# Allegro board LAY-29615_B4.brd (continued)
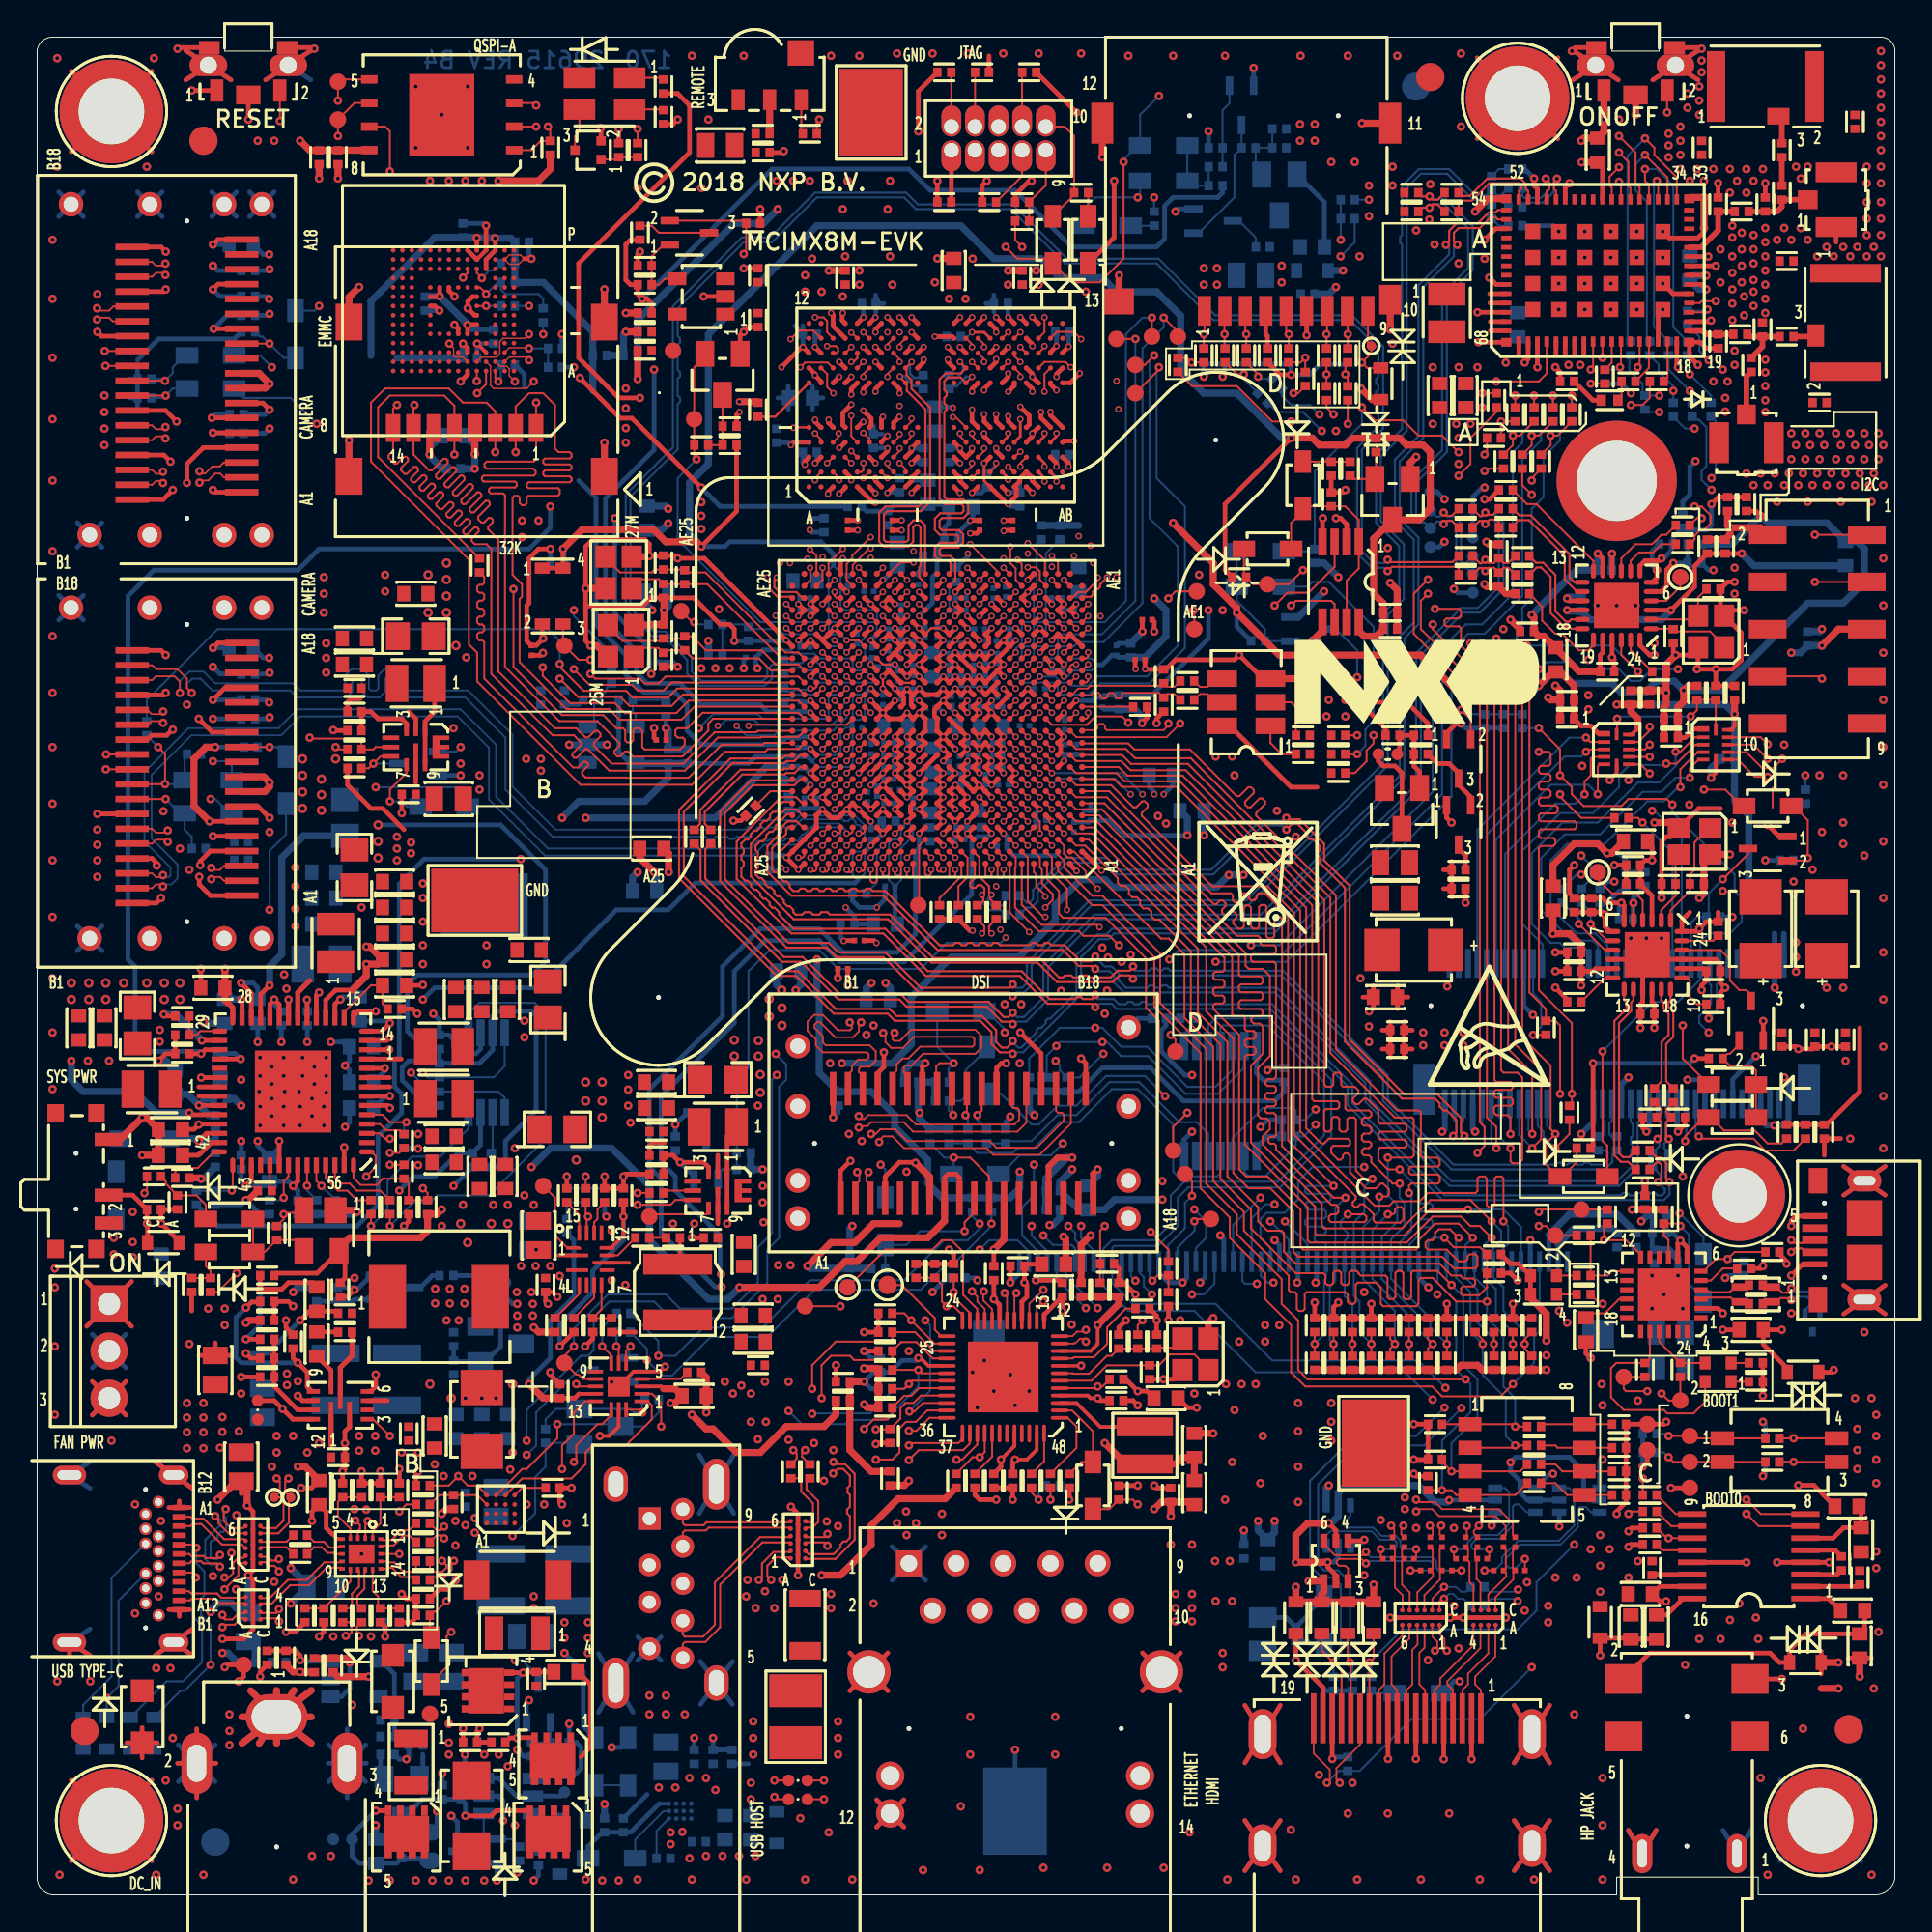
[diagram p0: board, top side]
## Routing (per net, layer and track width the routed paths; a pad name or vN(x,y) marks a point on that pad's centre or on a via; arc(x,y) is an arc through that point) (continued)
WIFI_PCIE_RX_N: length 84
  TOP w0.114: C1305.2 35.97,56.29 35.97,54.71 40.19,50.48 41.21,50.48 43.24,48.45 46.52,48.45 46.9,48.07 51.22,48.07 52.04,47.26 52.29,47.26 v1(52.51,47.48) ; U1301.54 78.63,90.69 78.51,90.57 78.14,90.57 77.55,89.98 76.41,89.98 76.01,89.58 76.01,89 v1(75.83,88.82)
  BOTTOM w0.114: v1(52.51,47.48) 52.74,47.26 53.12,47.26 54.16,48.3 54.16,50.03 56.9,52.77 65.87,52.77 73.34,60.24 73.34,67.73 74.1,68.49 74.1,72.96 73.09,73.98 73.09,77.26 74.36,78.53 74.36,86.66 76.01,88.31 76.01,88.64 v1(75.83,88.82)
WIFI_PCIE_RX_P: length 84.4
  TOP w0.114: v1(76.44,88.82) 76.26,89 76.26,89.47 76.52,89.72 77.66,89.72 78.25,90.31 78.51,90.31 78.63,90.19 U1301.55 ; C1304.2 35.71,56.24 35.71,54.61 40.09,50.23 41.11,50.23 43.14,48.2 46.42,48.2 46.8,47.81 51.12,47.81 51.93,47 52.39,47 v1(52.51,46.88)
  BOTTOM w0.114: v1(76.44,88.82) 76.26,88.64 76.26,88.2 74.61,86.55 74.61,78.42 73.34,77.15 73.34,74.08 74.36,73.07 74.36,68.39 73.6,67.63 73.6,60.13 65.98,52.51 57.01,52.51 54.42,49.92 54.42,48.2 53.23,47 52.64,47 v1(52.51,46.88)
WIFI_PCIE_TX_N: length 4
  TOP w0.114: U1301.49 81.26,91.72 81.41,91.87 81.41,92.18 v1(81.21,92.38)
  BOTTOM w0.114: v1(81.21,92.38) 81.38,92.2 81.38,91.78 80.96,91.35 80.05,91.35 79.94,91.46 R1355.2
WIFI_PCIE_TX_P: length 4
  TOP w0.114: v1(81.81,92.38) 81.66,92.23 81.66,91.82 81.76,91.72 U1301.48
  BOTTOM w0.114: v1(81.81,92.38) 81.64,92.2 81.64,91.67 81.06,91.1 80.17,91.1 R1354.2
WL_NPERST: length 57.4
  TOP w0.107: v1(84.26,82.74) 84.26,82.74 U1301.10 ; U101.C6 v2(53.32,56.48)
  L6_INT_2 w0.076: v2(53.32,56.48) 53.32,56.66 53,56.98 53,57.32 53.14,57.46 58.62,57.46 59.5,56.58 66.48,56.58 66.86,56.2 68.77,56.2 74.1,61.53 77.91,61.53 80.26,63.88 81.53,63.88 82.23,64.58 82.23,68.52 81.72,69.02 81.72,70.17 79.44,72.45 79.44,76.9 80.96,78.42 80.96,78.8 81.34,79.18 82.1,79.18 84.26,81.34 v1(84.26,82.74)
WL_NWAKE: length 160.2
  TOP w0.107: R1321.1 v1(83.63,81.35) ; U101.M20 v2(43.58,62.33)
  L6_INT_2 w0.076: v2(43.58,62.33) 43.58,62.6 43.29,62.88 41.17,62.88 40.83,62.55 39.18,62.55 32.78,56.15 32.78,53.35 29.91,50.48 29.91,46.67 36.26,40.32 36.26,35.95 39.64,32.57 47.18,32.57 49.34,30.42 54.8,30.42 55.51,31.13 57.26,31.13 57.97,30.42 63.31,30.42 65.34,32.45 69.66,32.45 70.42,33.21 75.12,33.21 78.04,30.29 82.87,30.29 86.17,26.99 v1(86.17,26.61) ; v1(83.63,81.35) 82.62,81.35 82.1,80.83 82.1,80.45 81.47,79.82 79.95,79.82 78.42,78.29 78.04,78.29 77.28,77.53 77.28,69.79 v1(78.93,68.13)
  L8_INT_3 w0.076: v1(86.17,26.61) 86.17,29.4 86.42,29.65 86.42,35.37 86.93,35.88 86.93,36.89 85.79,38.04 85.79,42.99 86.17,43.37 86.17,45.27 84.9,46.54 84.9,53.02 83.63,54.29 83.63,56.07 80.83,58.86 80.83,60.51 81.34,61.02 81.34,61.66 79.95,63.05 79.95,66.74 79.56,67.12 79.56,67.5 v1(78.93,68.13)
WL_REG_ON: length 66.7
  TOP w0.107: U1301.23 89.5,85.69 89.6,85.79 v1(90.36,85.79) ; U101.D7 v2(52.67,57.78)
  L6_INT_2 w0.076: v1(80.83,65.98) 76.9,62.04 73.72,62.04 71.94,60.26 68.01,60.26 65.34,57.59 61.66,57.59 61.28,57.21 59.75,57.21 58.99,57.97 55.69,57.97 55.55,58.11 53,58.11 v2(52.67,57.78) ; v1(90.36,85.79) 90.54,85.61 90.54,82.54 89.39,81.39 87.24,81.39 86.8,80.96 86.8,79.31 88.45,77.66 88.45,73.34 88.71,73.09 88.71,69.02 87.69,68.01 87.69,66.61 v1(88.33,65.98)
  BOTTOM w0.107: v1(88.33,65.98) 86.93,65.98 86.3,65.34 85.79,65.34 85.15,65.98 82.99,65.98 82.61,66.36 81.22,66.36 v1(80.83,65.98)
XTALI_25M: length 9.3
  TOP w0.107: Y401.1 32.6,67.12 33.46,67.12 C402.1 33.86,67 R411.1 35.3,66.56 38.85,66.56 39.5,65.91 U101.U25
XTALI_27M: length 10.6
  TOP w0.107: U101.V25 40.07,66.56 36.07,70.55 R412.1 33.73,70.55 C404.1 33.46,70.82 32.49,70.82 Y402.1
XTALO_25M: length 11.8
  TOP w0.107: U101.U24 40.98,66.23 39.76,66.23 39,66.99 36,66.99 35.25,67.75 R411.2 34.75,67.63 C403.1 33.58,67.5 31.51,67.5 30.73,68.28 Y401.3
XTALO_27M: length 13.1
  TOP w0.107: U101.V24 40.98,66.88 40.28,66.88 35.98,71.18 34.98,71.18 R412.2 34.82,71.34 C405.1 33.24,71.34 33.08,71.18 31.38,71.18 30.6,71.96 Y402.3
N306938: length 9.4
  TOP w0.107: U101.W20 v2(43.58,66.88)
  BOTTOM w0.102: C401.1 38.41,68.13 39.92,68.13 40.19,67.86 41.87,67.86 42.52,67.21 43.25,67.21 v2(43.58,66.88)
  BOTTOM w0.107: R409.2 R401.2 38.16,68.39 C401.1
N97352674: length 3.9
  TOP w0.107: R822.2 81.08,25.34 SW801.8 R806.1
N97352678: length 3.9
  TOP w0.107: R804.1 SW801.7 81.85,24.07 81.72,24.19 R819.2
N97352680: length 4
  TOP w0.107: R803.1 SW801.6 82.1,22.8 81.72,23.18 R821.2
N97352682: length 4.1
  TOP w0.107: R820.2 81.72,22.16 82.36,21.53 SW801.5 R802.1
N98831920: length 2.8
  TOP w0.107: J1601.5 67.24,84.15 v1(67.37,84.01) R1603.2
  BOTTOM w0.107: D1604.C v1(67.37,84.01)
N99468749: length 1.9
  TOP w0.107: U1602.1 41.13,94.89 R1615.2
N99468751: length 1.8
  TOP w0.381: R1610.2 39.43,94.81 U1602.2
N99469397: length 2.3
  TOP w0.107: D1601.4 29.19,94.92 28.95,94.68 Q1605.3
N99469401: length 2
  TOP w0.107: R1614.2 R1616.1 31.18,93.42 Q1605.1
N99469439: length 1.8
  TOP w0.107: D1601.3 33.67,96.11 R1609.2
N99513763: length 3.4
  TOP w0.107: R406.1 53.02,92.52 53.02,93.91 J401.7
N99515650: length 1.3
  TOP w0.107: D402.C 56.57,90.37 R404.1
N99789347: length 16
  TOP w0.254: R1101.2 C1103.2 85.73,13.82 TVS1101.2 v1(84.14,12.89) ; J1101.3 v1(93.92,11.62)
  L6_INT_2 w0.254: v1(84.14,12.89) 85.4,11.62 v1(93.92,11.62)
N99789365: length 15.9
  TOP w0.254: R1102.2 98.38,14.32 C1102.1 95.2,14.05 94.34,13.18 TVS1103.2 93.79,12.51 93.28,13.02 86.8,13.02 J1101.2
N99799646: length 5.7
  TOP w0.107: R1211.1 58.6,31.56 57.59,30.55 57.59,29.65 56.88,28.94 55.81,28.94 55.74,28.88 U1201.9
N99975371: length 2.3
  TOP w0.109: U901.12 17.61,17.45 17.61,16.47 17.23,16.09 17.23,15.65 C906.1
N99975385: length 2.7
  TOP w0.109: U901.11 17.33,17.44 17.33,16.59 16.95,16.21 16.95,15.53 16.84,15.42 C908.1
N99975403: length 1.9
  TOP w0.109: U902.C4 12.08,19 13.42,19 C907.2
N99975417: length 1.9
  TOP w0.109: C905.2 13.42,18.72 12.08,18.72 U902.C3
N99975431: length 13.1
  TOP w0.109: v1(17.33,13.94) 17.21,14.06 17.21,14.42 C906.2 ; U902.C2 12.08,18.2 12.41,18.2 12.61,18 12.9,18 12.92,17.98 v1(13.02,18.08)
  L8_INT_3 w0.089: v1(13.02,18.08) 12.93,18 12.28,18 11.82,17.54 11.82,14.49 13.17,13.14 16.83,13.14 17.13,13.45 17.13,13.75 v1(17.33,13.94)
N99975460: length 12.6
  TOP w0.109: C908.2 16.81,14.67 16.92,14.56 16.92,14.13 16.73,13.94 v1(16.61,13.94) ; v1(13.02,17.41) 13.02,17.47 12.78,17.71 12.49,17.71 12.29,17.91 12.07,17.91 U902.C1
  L8_INT_3 w0.089: v1(13.02,17.41) 13.02,17.44 12.71,17.75 12.38,17.75 12.07,17.44 12.07,14.6 13.28,13.39 16.72,13.39 16.88,13.55 16.88,13.83 16.77,13.94 v1(16.61,13.94)
N99975526: length 3.4
  TOP w0.107: U901.1 18.06,19.59 18.48,20 R905.2 R912.1
N99975530: length 3.6
  TOP w0.107: R906.2 R911.1 16.19,21.15 16.19,20.38 16.86,19.71 U901.4
N99975542: length 3.3
  TOP w0.107: R907.2 R910.1 18.35,15.42 18.35,16.06 18.06,16.35 U901.13
N99975546: length 3.7
  TOP w0.107: R909.1 R908.2 16.86,16.86 U901.10
N99976142: length 10.1
  TOP w0.109: v1(17.79,20.13) 17.66,20 U901.2 ; v1(13.02,14.72) 12.85,14.89 12.08,14.89 U903.C1
  L8_INT_3 w0.089: v1(17.79,20.13) 17.64,19.98 17.64,19.42 14.92,16.7 14.92,15.59 14.13,14.79 13.09,14.79 v1(13.02,14.72)
N99976173: length 10
  TOP w0.109: U903.C2 12.08,15.17 12.89,15.17 13.02,15.3 v1(13.02,15.38) ; U901.3 17.26,19.58 17.37,19.69 17.37,19.91 v1(17.13,20.15)
  L8_INT_3 w0.089: v1(17.13,20.15) 17.39,19.9 17.39,19.52 14.67,16.8 14.67,15.69 14.03,15.04 13.33,15.04 13.02,15.35 v1(13.02,15.38)
N99976175: length 5.2
  TOP w0.109: U903.C3 12.08,15.69 12.64,15.69 13.62,16.67 14.63,16.67 15.58,17.61 16.35,17.61 U901.9
N99976189: length 5.2
  TOP w0.109: U903.C4 12.08,15.97 12.52,15.97 13.5,16.95 14.52,16.95 15.46,17.9 16.36,17.9 U901.8
N100755622: length 2.2
  TOP w0.109: U901.7 16.03,18.35 15.98,18.41 15.63,18.41 15.32,18.72 14.9,18.72 C905.1
N100755624: length 2.2
  TOP w0.109: U901.6 16.03,18.75 15.98,18.69 15.75,18.69 15.44,19 14.9,19 C907.1
N100828512: length 4.3
  BOTTOM w0.254: F1001.2 67.23,14.93 R1011.1 68.39,15.04 68.39,15.18 D1001.A
N101008434: length 1.7
  TOP w0.107: U907.7 31.3,29.4 v1(31.18,29.53)
  BOTTOM w0.107: v1(31.18,29.53) 31.18,29.53 R941.1
N101008436: length 3.2
  TOP w0.107: U907.8 30.9,29.04 v1(30.42,29.53)
  BOTTOM w0.107: R940.1 30.42,30.54 v1(30.42,29.53)
N101008611: length 11.8
  TOP w0.107: v1(28,25.34) 28,24.57 26.35,22.92 26.11,22.92 U906.B4
  BOTTOM w0.107: v1(28,25.34) 31.26,25.34 Q906.3 32.7,25.21 33.46,25.96 R931.1
N101008640: length 1.8
  TOP w0.107: U906.D4 26.1,21.91 C913.1
N101008651: length 2.6
  TOP w0.107: U907.4 34.63,27.77 C914.2
N101008668: length 15.5
  TOP w0.107: v1(19.49,20.64) 19.87,21.02 R924.2
  L6_INT_2 w0.076: v1(26.35,23.68) 26.02,23.35 25.01,23.35 22.92,21.27 20.13,21.27 v1(19.49,20.64)
  BOTTOM w0.107: Q905.3 29.15,28.26 26.86,25.97 26.86,24.19 v1(26.35,23.68)
N101008815: length 8.2
  TOP w0.254: v1(23.05,4.25) 24.45,4.25 24.72,4.53 Q901.4
  BOTTOM w0.254: v1(23.05,4.25) 23.05,4.92 R944.2 R916.1 20.73,5.15 Q902.3
N101008879: length 5.8
  L6_INT_2 w0.254: v1(25.72,3.75) 25.84,3.87 v1(25.84,7.81)
  BOTTOM w0.254: v1(25.84,7.81) 26.19,7.46 R935.1
  BOTTOM w0.381: C936.1 v1(18.22,3.75)
N101010200: length 3.3
  BOTTOM w0.107: U910.1 24.04,3.36 24.41,3 Q903.2 25.57,3 R914.2
N101061859: length 5.9
  BOTTOM w0.203: 33.48,4.91 U905.A1
  BOTTOM w0.254: D904.A 29.65,2.6 30.42,3.37 R917.2 R932.2 31.95,3.37 33.48,4.91
N101118681: length 2.7
  TOP w0.107: R1619.2 v1(70.55,84.01) 70.55,85.26 J1601.8
  BOTTOM w0.107: D1602.C v1(70.55,84.01)
N101118689: length 2.7
  TOP w0.107: R1618.2 v1(69.4,84.01) 69.44,84.04 J1601.7
  BOTTOM w0.107: D1603.C v1(69.4,84.01)
N101118780: length 2.7
  TOP w0.107: R1617.2 v1(65.09,84.01) 65.04,84.06 J1601.3
  BOTTOM w0.107: D1605.C v1(65.09,84.01)
N101118786: length 2.8
  TOP w0.107: J1601.2 63.91,85.24 63.91,84.02 v1(63.92,84.01) 63.92,83.27 R1621.2
  BOTTOM w0.107: v1(63.92,84.01) 63.92,83.34 D1606.C
N101118794: length 2.7
  TOP w0.107: R1620.2 v1(62.8,84.01) 62.84,84.05 J1601.1
  BOTTOM w0.107: D1607.C v1(62.8,84.01)
N101139325: length 7.4
  TOP w0.107: v1(88.45,36) 88.32,36.14 R1704.2 87.57,35.5 87.82,35.25 U1701.9
  BOTTOM w0.107: v1(88.45,36) 88.91,35.55 88.91,32.88 89.7,32.09 D1704.A
N101139407: length 2.6
  TOP w0.107: C1707.1 83.61,31.3 84.39,31.3 85.16,32.07 U1701.16
N101139610: length 2.2
  TOP w0.107: U1701.5 90.09,33.07 90.74,33.72 R1716.2
N101140451: length 1
  TOP w0.107: D1702.1 91.19,27.62 R1703.2
N101140453: length 1
  TOP w0.107: R1702.2 92.14,28.63 D1702.3
N101141295: length 1.1
  TOP w0.107: R1708.2 81.8,32.32 D1703.4
N101141297: length 1.1
  TOP w0.107: R1707.2 81.8,33.34 D1703.2
N101339716: length 7
  TOP w0.107: U901.16 v1(19.49,18.35) ; D901.A 21.14,13.94 R901.2 21.34,15.25 21.47,15.25 v1(22.03,15.81)
  L6_INT_2 w0.076: v1(22.03,15.81) v1(19.49,18.35)
N101344123: length 3.8
  TOP w0.254: v1(14.16,12.64) 14.16,12.88 13.91,13.14 R904.1 R903.2
  BOTTOM w0.254: U909.3 14.22,12.57 v1(14.16,12.64)
N101353081: length 18
  TOP w0.107: v1(85.15,93) 84.64,92.49 84.64,92.01 84.76,91.9 U1301.42 ; v1(81.6,80.71) R1318.2
  L8_INT_3 w0.076: v1(81.6,80.71) 81.6,81.72 81.22,82.1 81.22,90.11 82.23,91.12 83.27,91.12 v1(85.15,93)
  BOTTOM w0.107: R1318.2 v1(81.6,80.71)
N101430997: length 45.3
  TOP w0.114: v1(42.86,23.3) 42.98,23.18 43.49,23.18 44,22.67 44,19.11 42.98,18.09 41.38,18.09 U908.C1 ; v2(51.37,51.75) 51.24,51.88 51.24,52.14 R926.2
  L8_INT_3 w0.109: v1(42.86,23.3) 42.63,23.07 40.81,23.07 39.94,23.94 39.94,29.05 50.35,39.46 50.35,40.19 51.62,41.46 51.62,50.99 51.24,51.37 51.24,51.62 v2(51.37,51.75)
N101431025: length 45.2
  TOP w0.114: v2(50.86,51.75) 50.99,51.88 50.99,52.14 R927.2 ; v1(42.85,22.68) 43.09,22.93 43.38,22.93 43.75,22.56 43.75,22.03 43.62,21.91 43.62,21.65 43.75,21.53 43.75,20.89 43.6,20.74 43.6,20.54 43.75,20.38 43.75,19.22 43.56,19.02 43.41,19.02 43.24,18.86 43.24,18.71 42.87,18.34 41.53,18.34 U908.C2
  L8_INT_3 w0.109: v1(42.85,22.68) 42.73,22.8 42.73,22.8 42.71,22.82 40.71,22.82 39.69,23.84 39.69,29.15 50.11,39.57 50.11,40.3 51.38,41.57 51.38,50.89 51,51.27 51,51.62 v2(50.86,51.75)
N101784396: length 23.3
  TOP w0.107: v2(43.57,67.53) 44.22,67.53 U101.W19 ; v1(35.5,77.28) 35.37,77.41 35.37,78.03 R416.2 35.37,78.05 TP409.1 35.37,82.23 35.94,82.81 U401.2
  BOTTOM w0.102: v2(43.57,67.53) 43.25,67.86 42.79,67.86 42.6,68.05 42.6,68.34 42.43,68.51 38.93,68.51
  BOTTOM w0.107: v1(35.5,77.28) 34.48,76.26 34.48,72.96 38.93,68.51
N101800237: length 4.6
  BOTTOM w0.254: J1801.2 81.88,35.01
  BOTTOM w0.381: R1805.1 84.79,35.88 82.74,35.88 81.88,35.01
N101814214: length 5.4
  TOP w0.107: U1201.2 55.71,26.08 56.83,24.95 D1201.A 56.2,23.3 R1224.2
N101840031: length 3.5
  TOP w0.107: U401.3 36.89,79.06 C407.1 R415.2 R416.1
N101896717: length 16.3
  L6_INT_2 w0.076: v1(25.72,12.64) 25.59,12.76 v1(25.59,19.32)
  BOTTOM w0.107: Q907.3 26.99,11.75 26.1,12.64 v1(25.72,12.64) ; Q906.1 29.12,24.33 R930.2 27.37,23.05 26.81,22.49 26.81,20.54 v1(25.59,19.32)
N101902831: length 2.1
  BOTTOM w0.107: R935.2 R946.1 27.64,8.23 Q907.2
N101995244: length 9.5
  TOP w0.254: v1(89.6,48.7) 89.6,48.96 89.86,49.22 C1422.1 89.72,49.86 U1401.20 ; v1(83.11,48.96) C1423.1 ; C1423.1 C1403.1 83.11,50.99 ; C1423.1 83.76,49.72 83.89,49.86 U1401.11
  TOP w0.381: 83.11,50.99 83.11,51.12 82.5,51.74 v1(81.6,51.74) L1401.2
N101995252: length 3.9
  TOP w0.107: U1401.2 87.43,53.01 88.19,53.78 C1430.1 88.19,55.83 Y1401.3
N101995256: length 5.9
  TOP w0.107: U1401.1 87.93,53 88.97,54.04 C1429.1 88.97,54.93 89.21,55.17 89.21,56.65 89.97,57.41 Y1401.1
N101995353: length 17.1
  TOP w0.254: v1(87.05,46.68) C1425.1 87.05,47.95 86.93,48.07 U1401.16 ; U1401.3 86.93,53.78 C1424.1 C1426.1 86.54,55.69 v1(86.93,55.69) 86.93,56.42 86.67,56.68 L1402.1
  L8_INT_3 w0.381: v1(86.93,55.69) 88.07,54.55 88.07,47.7 v1(87.05,46.68)
N101995404: length 10.7
  TOP w0.114: R1421.1 85.64,39.46 85.25,39.46 84.9,39.81 84.9,47.03 85.55,47.68 85.55,48.04 85.43,48.17 U1401.13
N101995406: length 4.3
  TOP w0.107: TP1401.1 84.01,54.67 84.77,53.91 86.04,53.91 86.43,53.53 U1401.4
N101995408: length 10.3
  TOP w0.114: U1401.14 85.93,48.17 85.8,48.04 85.8,47.58 85.15,46.93 85.15,39.92 85.36,39.71 85.69,39.71 R1422.1
N101995436: length 5.8
  TOP w0.114: R1423.1 87.44,43.8 87.44,45.91 87.82,46.29 87.82,47.43 87.55,47.7 87.55,48.04 87.43,48.17 U1401.17
N101995453: length 5.8
  TOP w0.114: R1424.1 87.69,43.8 87.69,45.8 88.07,46.19 88.07,47.54 87.8,47.81 87.8,48.04 87.93,48.17 U1401.18
N101995570: length 5.4
  TOP w0.254: C1402.1 C1401.1 84.26,52.9 v1(84.39,52.77) 84.39,52.13 84.67,51.86 U1401.7
  BOTTOM w0.254: R1456.2 85.27,54.04 85.15,54.04 84.52,53.41 R1457.2 84.14,53.02 v1(84.39,52.77)
N101995643: length 2.4
  TOP w0.107: R1412.2 89.34,47.94 88.96,48.32 88.96,49.21 88.82,49.36 U1401.19
N101995645: length 2.2
  TOP w0.107: R1411.2 84.4,49.36 U1401.12
N101995688: length 2.1
  TOP w0.107: U1401.23 90.21,51.36 R1405.2
N102026698: length 6
  TOP w0.107: Q1401.2 91.62,45.77 91.12,45.27 90.99,45.27 R1419.2 91.12,44.64 92.26,44.64 92.52,44.39 92.52,41.85
N102081058: length 2.9
  TOP w0.107: R847.2 72.07,76.28 U801.2 70.85,76.22 R841.1
N102081148: length 2.5
  TOP w0.107: R841.2 C803.1 69.65,77.15 D802.A
N102081821: length 11.5
  TOP w0.107: D801.C 67.5,73.85 68.13,74.48 D802.C 68.27,74.75 R842.1 70.41,74.75 71.14,74.02 U802.1 71.14,71.4 70.49,70.75 U802.7
N102095920: length 3.8
  TOP w0.107: SW802.4 v1(94.55,24.57) R817.2
  BOTTOM w0.107: R817.2 v1(94.55,24.57)
N102095936: length 3.8
  TOP w0.107: R818.2 v1(94.55,23.3) SW802.3
  BOTTOM w0.107: R818.2 v1(94.55,23.3)
N102134491: length 2.7
  TOP w0.107: R504.1 48.58,53.66 49.75,54.83 U101.A11
N102134913: length 3.2
  TOP w0.107: U101.B11 50.08,55.83 50.08,54.78 49.59,54.29 R506.1
N102135237: length 2.3
  TOP w0.107: U101.G25 39.47,59.41 R501.1
N102135239: length 3
  TOP w0.107: U101.C25 39.94,56.1 39.94,55.56 v2(40.32,55.18)
  BOTTOM w0.107: R502.1 40.32,55.19 v2(40.32,55.18)
N102135943: length 2.8
  TOP w0.107: U101.P1 58.98,63.96 R503.1
N102136255: length 3.4
  TOP w0.107: U101.C17 v2(45.53,56.48)
  BOTTOM w0.102: R505.1 45.2,54.48 45.2,56.16 v2(45.53,56.48)
N102189491: length 11.5
  TOP w0.254: v2(46.82,57.78) 46.83,57.78 U101.E15 47,58.25 47,58.61 U101.F15
  BOTTOM w0.102: C20.1 45.85,54.62 45.85,56.62 46.04,56.81 46.3,56.81 46.5,57 46.5,57.29 46.67,57.47 46.67,57.63 v2(46.82,57.78) 47.15,57.46 47.15,57 46.5,56.35 46.5,54.62 C20.1
  BOTTOM w0.254: C20.1 C19.1 46.18,52.39 L101.1
N102271152: length 2.6
  TOP w0.107: U101.AA13 v2(48.77,68.83)
  BOTTOM w0.102: R205.2 49.1,70.31 49.1,69.16 v2(48.77,68.83)
N102659644: length 1.5
  TOP w0.305: E1302.3 93.92,95.56 R1309.2
N102661696: length 1.2
  TOP w0.305: R1306.2 95.69,83.88 E1301.3
N102729666: length 2.4
  TOP w0.305: R1302.2 92.01,81.73 J1301.1
N102730761: length 1.5
  TOP w0.305: R1309.1 R1304.2
N102841136: length 2.6
  TOP w0.109: C917.2 20.39,17.48 20.31,17.39 19.72,17.39 19.22,17.89 18.95,17.89 18.89,17.95 U901.15
N102841139: length 2.2
  TOP w0.109: C918.2 20.24,17.11 19.6,17.11 19.1,17.61 18.95,17.61 18.89,17.55 U901.14
N102841178: length 2.3
  TOP w0.109: C920.2 20.03,19.34 19.72,19.34 19.19,18.81 18.57,18.81 U901.17
N102841181: length 2.3
  TOP w0.109: C919.2 20.02,19.63 19.6,19.63 19.07,19.09 18.57,19.09 U901.18
N102841248: length 3.5
  TOP w0.109: U908.C6 41.36,20.11 41.41,20.06 41.63,20.06 41.76,20.2 41.76,21.08 41.13,21.71 41.13,22.31 41.02,22.42 C922.2
N102841251: length 3.5
  TOP w0.109: C921.2 41.41,22.24 41.41,21.83 42.05,21.2 42.05,20.08 41.74,19.77 41.42,19.77 U908.C5
N102880674: length 3
  TOP w0.254: U1101.2 98,16.6 C1110.1
N102887128: length 2.2
  TOP w0.254: U1101.14 86.97,17.25 C1111.2
N102887637: length 2.3
  TOP w0.254: U1101.16 88.59,15.95 87.71,15.06 R1101.1
N102887640: length 2.2
  TOP w0.254: U1101.1 96.43,15.95 R1102.1
N102889416: length 2.1
  TOP w0.254: U1101.5 96.79,18.55 C1109.1
N102889418: length 2
  TOP w0.254: U1101.3 96.9,17.25 C1109.2
N102889692: length 2
  TOP w0.107: R1109.1 87.49,18.55 U1101.12
N102889696: length 2.2
  TOP w0.107: U1101.10 87.97,19.85 R1103.2
N102889754: length 2.3
  TOP w0.107: R1104.2 88.21,20.5 U1101.9
N102924137: length 1.8
  TOP w0.097: Y501.4 63.44,65.47 62.99,65.02 62.6,65.02 R510.1
N102924140: length 1.8
  TOP w0.097: Y501.5 63.44,64.2 62.99,64.64 62.6,64.64 R511.1
N102924518: length 2.5
  TOP w0.107: Y501.1 66.39,62.01 66.99,61.4 R508.2
N103556037: length 6
  TOP w0.107: v1(49.34,39.69) 50.23,39.69 51.25,38.67 J1501.A11
  BOTTOM w0.107: R1521.2 48.84,39.69 v1(49.34,39.69) 49.34,38.92 D1501.A
N103556044: length 6.5
  TOP w0.107: J1501.B8 48.4,43.45 48.4,44.59 48.58,44.77 v1(49.34,44.77)
  BOTTOM w0.107: D1508.A 48.45,45.66 v1(49.34,44.77) 49.05,44.48 49.05,43.78 R1520.2
N103556052: length 6.5
  TOP w0.107: v1(49.31,41.97) 49.25,42.04 J1501.B9
  BOTTOM w0.107: D1509.A 51.12,45.53 49.97,44.39 49.97,42.99 49.72,42.73 R1519.2 49.08,42.21 v1(49.31,41.97)
N103556123: length 2.3
  TOP w0.107: v1(49.97,41.97) 50.05,42.05 J1501.B10
  BOTTOM w0.107: v1(49.97,41.97) 50.1,41.85 R1502.1
N103556124: length 2.5
  TOP w0.107: J1501.B11 50.85,42.21 v1(50.61,41.97)
  BOTTOM w0.107: v1(50.61,41.97) 50.61,41.71 R1501.1
N103592100: length 5.1
  BOTTOM w0.254: J802.2 4.78,28.37 ; J802.2 2.97,30.18 ; J802.2 2.97,28.37 ; J802.2 4.78,30.18
N103620554: length 1.9
  TOP w0.107: U706.15 29.18,36.61 R747.1
N103620610: length 20.9
  TOP w0.254: R708.2 12.76,26.61 v1(13.21,26.16) 13.77,25.6 U701.12 ; SW701.2 5.14,37.67 C798.1 v1(5.91,36.14) 5.94,36.1 D706.C
  L6_INT_2 w0.254: v1(13.21,26.16) 13.21,26.8 11.49,28.51 10.98,28.51 8.19,31.3 8.19,32.57 6.54,34.23 6.54,35.51 v1(5.91,36.14)
N103620792: length 3.6
  TOP w0.279: C705.2 16.95,29.01 16.32,28.38 U701.7
N103620806: length 2
  TOP w0.254: U701.8 15.82,28.23 R704.1
N103620818: length 1.2
  TOP w0.254: R704.2 16.18,30.3 C705.1
N103621061: length 5.2
  TOP w0.254: R702.2 R705.2 R709.1 12.76,27.37 14.03,26.1 U701.11
N103621063: length 6.8
  TOP w0.254: R705.1 11.49,28.89 v1(11.24,29.15) ; v1(14.16,30.92) 14.65,31.42 C712.1 16.09,31.42 R703.2
  BOTTOM w0.254: v1(14.16,30.92) 12.38,29.15 v1(11.24,29.15)
N103621294: length 9.3
  TOP w0.254: U701.6 17.96,27.1 18.22,27.37 v1(18.22,28) ; v1(13.78,31.69) 13.52,31.94 R706.2 R707.1
  L6_INT_2 w0.254: v1(13.78,31.69) 14.54,31.69 v1(18.22,28)
N103621414: length 2.7
  TOP w0.203: U706.9 31.87,34.03 ; C787.2 34.6,34.07
N103621426: length 2.5
  TOP w0.254: U702.9 18.97,43.99 ; U702.8 18.98,43.49
N103621824: length 2.3
  TOP w0.107: R731.2 29.18,32.35 U706.4
N103621960: length 3.2
  BOTTOM w0.254: R715.2 C727.1 16.96,31.95 17.07,32.05 Q702.2
N103622061: length 3
  TOP w0.107: R749.1 C788.1 30.38,31.52 U706.7
N103622250: length 8.9
  TOP w0.254: v1(18.99,42.35) 18.85,42.49 U702.6
  L8_INT_3 w0.381: v1(25.72,40.19) 23.56,42.35 v1(18.99,42.35)
N103622993: length 3.6
  TOP w0.107: R719.1 17.21,37.39 16.7,37.91 16.19,37.91 15.53,38.57 U702.53
N103622995: length 4.1
  TOP w0.107: U702.54 16.03,38.58 16.32,38.29 16.83,38.29 17.21,37.91 18.47,37.91 R721.1
N103623013: length 2.2
  TOP w0.107: R724.1 19.54,41.16 18.79,41.16 18.45,41.49 U702.4
N103623028: length 3
  TOP w0.107: v1(19.87,41.59) 18.99,41.59 18.58,41.99 U702.5
  BOTTOM w0.107: R722.1 19.75,41.46 v1(19.87,41.59)
N103623139: length 3.3
  TOP w0.107: R744.2 v1(29.53,38.67)
  BOTTOM w0.107: R745.1 R744.2 ; R744.2 v1(29.53,38.67) ; R744.2 R746.1
N103623211: length 1.9
  TOP w0.107: U706.13 29.98,36.2 30.16,36.38 30.16,36.9 C793.1
N103623424: length 4.2
  TOP w0.107: TP704.1 27.88,37.53 27.88,35.5 28.55,34.83 U706.1
N103623433: length 1.9
  TOP w0.107: U706.10 31.26,34.43 R743.1
N103623437: length 0.9
  TOP w0.107: C787.1 R743.2
N103623474: length 1.7
  TOP w0.107: R744.1 29.53,36.64 v1(29.65,36.51) 29.58,36.44 U706.14
N103623492: length 1.9
  BOTTOM w0.107: R748.2 R745.2 C789.2
N103623566: length 4.3
  TOP w0.107: R725.1 18.59,47.96 C747.1 17.97,48.96 16.53,47.52 U702.16
N103623739: length 3.2
  TOP w0.107: C763.2 7.44,38.93 7.63,39.13 8.65,39.13 9.51,39.99 U702.42
N103623826: length 4.5
  TOP w0.254: U702.40 9.12,40.99 v1(8.7,40.58)
  BOTTOM w0.381: R756.2 9.59,40.58 v1(8.7,40.58) 8.57,40.7 D704.C
N103623850: length 2.7
  TOP w0.107: U702.29 8.77,46.49 8.57,46.29 C770.1 C767.2
N103623981: length 3.3
  TOP w0.107: v1(10.48,37.92) 10.53,37.97 U702.43
  BOTTOM w0.107: R757.1 C764.1 10.46,37.9 v1(10.48,37.92)
N103625600: length 2.1
  BOTTOM w0.107: Q1603.3 64.71,90.11 65.6,89.21 R1608.2
N103625608: length 4.2
  BOTTOM w0.107: D1609.A D1608.A 62.17,92.01 R1612.2 R1613.1
N103625614: length 3.5
  BOTTOM w0.107: Q1602.1 65.59,92.93 R1611.1 C1607.2 R1607.2
N103625632: length 7.1
  BOTTOM w0.107: Q1604.3 64.83,94.05 R1611.2 64.45,93.66 64.45,91.38 62.53,89.46 Q1603.2
N103625713: length 4.5
  BOTTOM w0.107: R1613.2 C1611.1 63.81,96.07 64.18,96.44 Q1604.2
N103625807: length 3.9
  TOP w0.107: Q1601.3 33.46,89.47 33.09,89.85 R1602.2
N103625812: length 4.3
  TOP w0.107: Q1601.1 33.7,88.82 33.08,88.19 R1604.1 R1601.2 33.46,86.68 33.78,86.99 U1601.4
N103635764: length 2.4
  TOP w0.254: U705.2 20.38,63.31 20,63.69 ; 17.4,64.38 16.89,64.38 16.71,64.2 R752.1
N103635890: length 4.6
  TOP w0.254: U705.9 U705.1 20.88,63.17 21.39,63.68 L710.1
N103636004: length 4.1
  TOP w0.107: U705.7 19.88,60.4 18.99,59.5 v1(18.99,58.86)
  BOTTOM w0.107: D703.C 19.9,58.58 19.62,58.86 v1(18.99,58.86)
N103636036: length 4
  TOP w0.254: R753.1 R752.2 17.97,63.69 18.35,63.31 19.62,63.31 19.88,63.05 U705.3
N103636723: length 3.9
  TOP w0.254: R710.1 32.96,40.33 33.14,40.51 33.78,40.51 ; U707.2 36.64,39.81
  BOTTOM w0.254: R764.1 34.99,42.1 v1(34.35,41.46) C714.1
N103636825: length 4.6
  TOP w0.254: L706.1 37.14,40.83 U707.1 U707.9
N103636841: length 1.6
  TOP w0.107: U707.5 33.84,37.91 R714.2
N103636936: length 3.5
  TOP w0.107: U707.7 36.14,36.77 36,36.64 33.08,36.64 TP701.1
N103636955: length 6
  TOP w0.254: U707.3 36.14,39.17 35.88,39.43 v1(34.61,39.43) 34.23,39.81 R710.2 R711.1
  BOTTOM w0.254: Q704.1 35.35,38.69 v1(34.61,39.43) 34.35,39.69 C714.2
N103650219: length 12.7
  TOP w0.254: U702.25 12.03,48.48 v1(12.51,48.96)
  BOTTOM w0.381: 16.32,57.01 14.34,57.01 13.17,55.84 13.17,50.63 12.51,49.97 v1(12.51,48.96)
N103650238: length 6.9
  TOP w0.254: U702.19 15.03,48.43 v1(15.18,48.58)
  L6_INT_2 w0.381: v1(15.18,48.58) 16.19,49.59 16.19,51.88 v1(17.46,53.15)
N103650295: length 1
  TOP w0.279: U702.22 v1(13.53,48.19)
  vias: v1(13.3,49.54) v1(13.42,48.78)
N103650305: length 9.8
  TOP w0.254: v1(8.19,42.1) 8.3,41.99 U702.38
  BOTTOM w0.381: v1(8.19,42.1) 6.41,42.1 5.27,43.24 2.48,43.24 1.84,43.88 v1(1.84,44.89)
  vias: v1(2.73,44.89) v1(3.87,44.89)
N103650457: length 8.5
  TOP w0.254: U702.13 18.82,45.99 v1(18.99,46.16)
  L8_INT_3 w0.381: v1(26.22,46.16) v1(18.99,46.16)
N103650494: length 2.3
  TOP w0.279: U702.21 14.03,48.57 14.67,49.21
N103650496: length 1.8
  TOP w0.254: 19.59,44.99 U702.11
N103650498: length 2.2
  TOP w0.254: U702.35 8.7,43.49 ; U702.36 8.7,42.99
N103653484: length 37.8